# Altium PCB ie-track-kit-arduino-1-V11.PcbDoc (part 3 of 3)
Units mm, origin at the board's own origin, x right, y up, seen from the top; angles counter-clockwise.
Board outline 115 x 212.3 mm, 2 copper layers (Top Layer, Bottom Layer), stack 1.571 mm thick; 284 components, 206 nets, 1109 pads, 538 vias.
Unrouted connection lines stored in the file: 1.
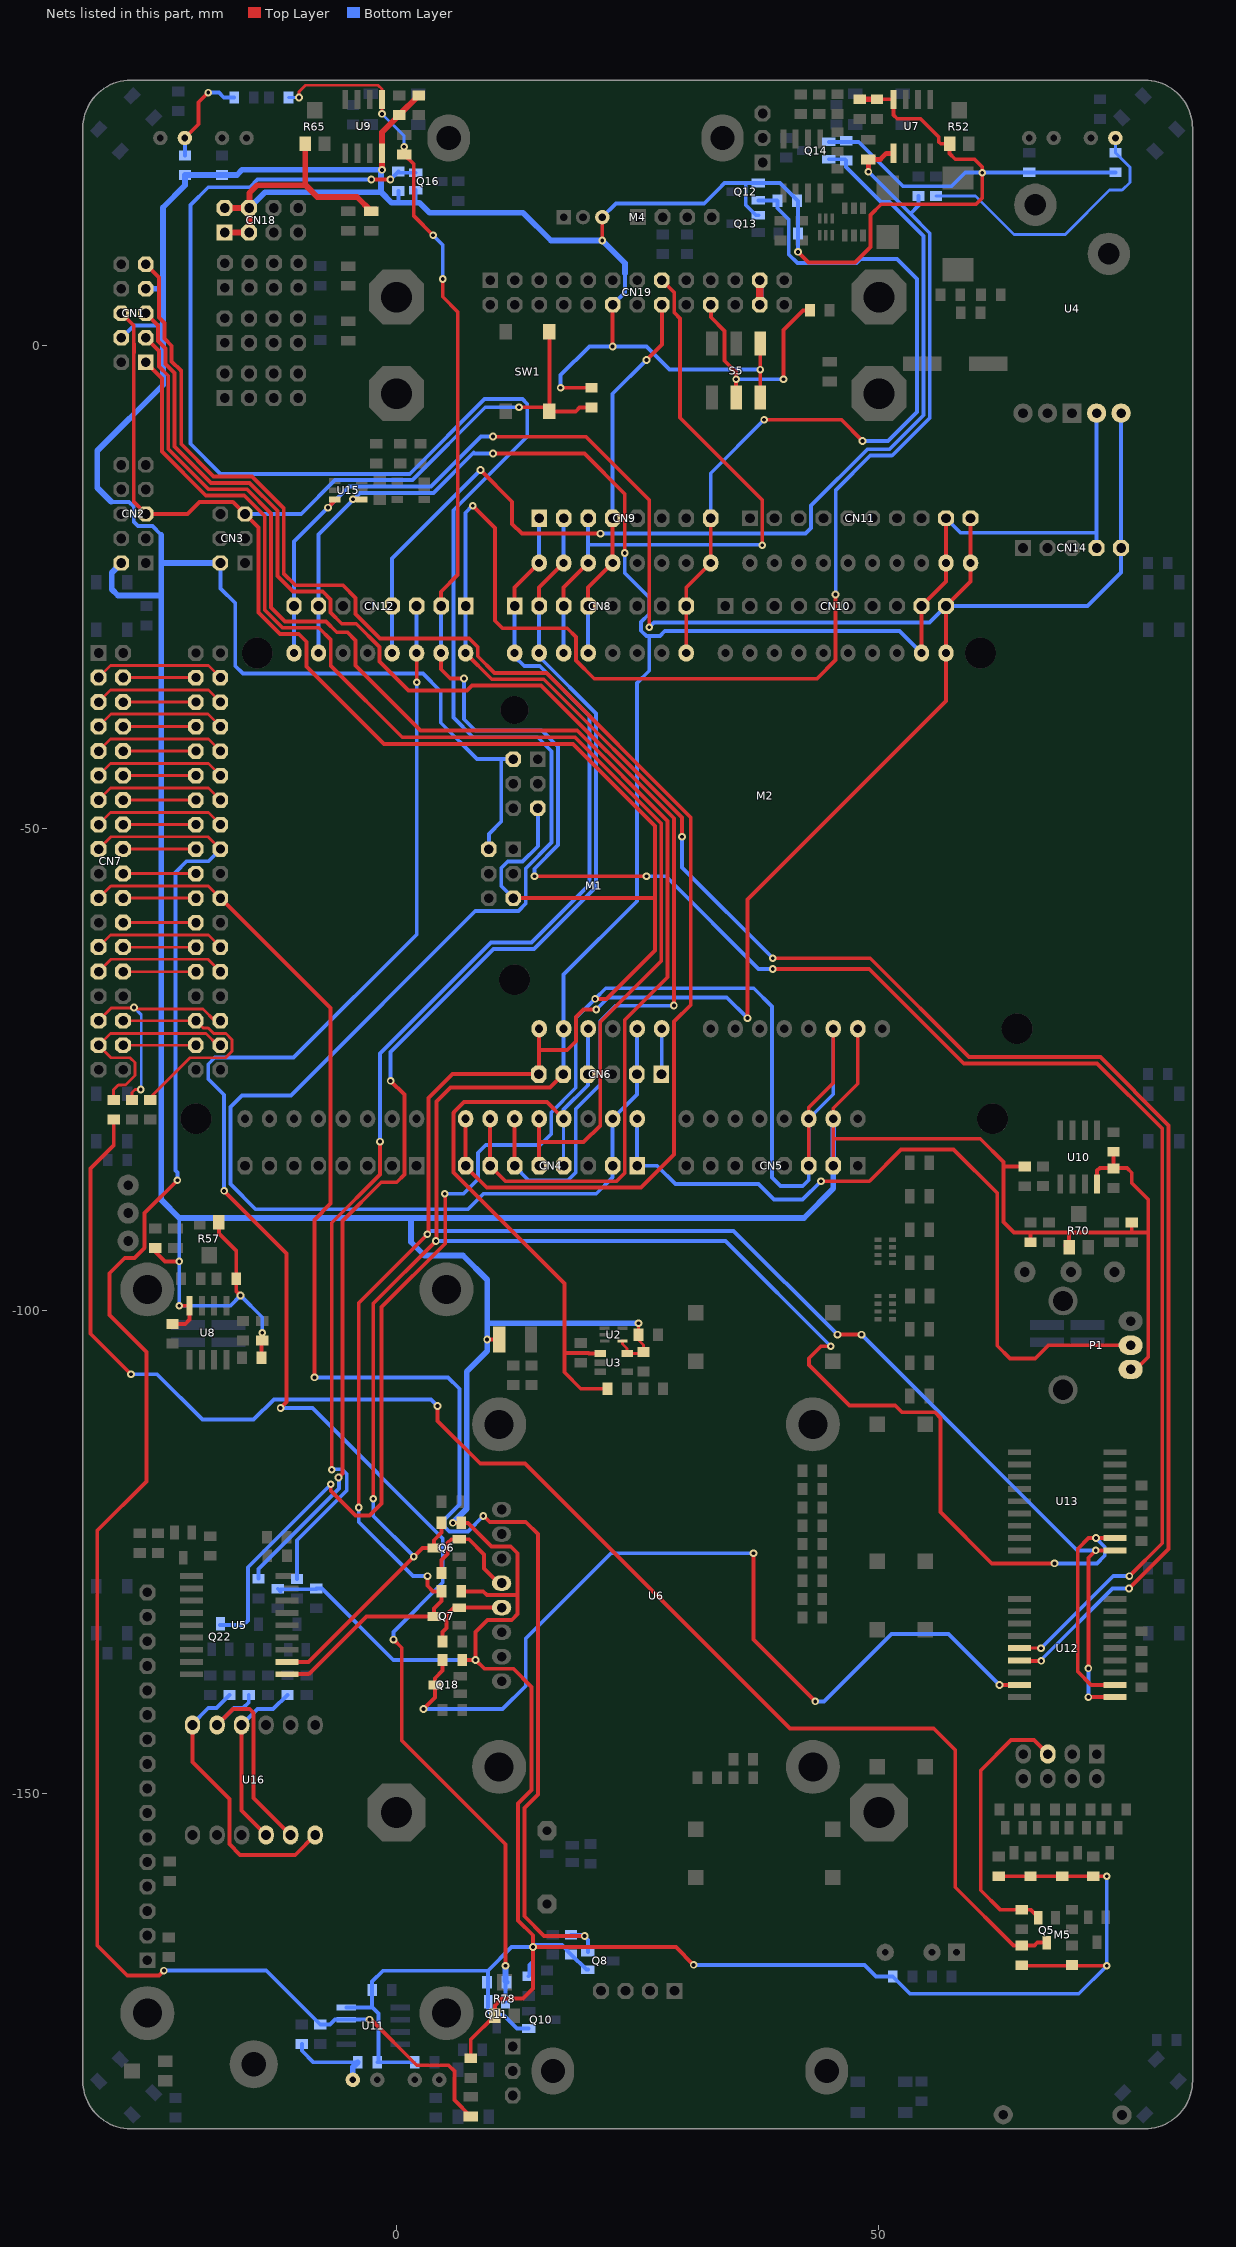
[diagram p3: the nets of this part, all layers, seen from the top]

## Via types
v1: diameter 0.8, hole 0.4, Top Layer to Bottom Layer, tented both sides, 538 vias

## Nets (pads, with @x,y where several pads share a name; then routed paths per layer and width w, separated by ;. In a path a pad name is that pad's centre, name@x,y a point inside that pad or via, vN(x,y) a via of type N, cw(c..) or ccw(c..) an arc to the next point about the centre after c; other vN are vias at no path point) (continued)
nSLEEP_RIGHT: CN19.20 R114.1 S5.1 | length 24.4
  Top Layer w0.4: CN19.20@32.58,4.23 32.58,2.92 34,1.5 34,-1.58 35.2,-2.78 v1(35.2,-3.5) S5.1@35.2,-5.4 ; v1(40.1,-3.5) 40.1,1.602 42.14,3.642 R114.1@42.843,3.642
  Bottom Layer w0.4: v1(35.2,-3.5) 35.278,-3.422 35.356,-3.5 v1(40.1,-3.5)
OLED_RESET: Q18.3 R50.1 U12.17 | length 94
  Top Layer w0.4: v1(2.8,-141.3) 4,-140.1 Q18.3@4,-138.8 4,-138.1 4.784,-137.316 R50.1@4.784,-136.2 ; v1(37,-125.154) 37,-127.4 37,-134.09 v1@43.405,-140.495 ; v1(62.5,-138.8) 62.51,-138.79 U12.17@64.547,-138.79
  Bottom Layer w0.4: v1(2.8,-141.3) 11,-141.3 13.4,-138.9 13.4,-134 22.3,-125.1 22.354,-125.154 v1(37,-125.154) ; v1(43.4,-140.5) 44.3,-140.5 51.3,-133.5 57.2,-133.5 v1(62.5,-138.8)
PA0_AD0_D22: CN7.3 M1.D22 | length 13.7
  Top Layer w0.3: CN7.3@-30.864,-34.41 -29.622,-33.168 -19.477,-33.168 M1.D22@-18.235,-34.41
PA1_AD1_D23: CN7.4 M1.D23 | length 7.5
  Top Layer w0.3: CN7.4@-28.324,-34.41 M1.D23@-20.775,-34.41
PA2_AD2_D24: CN7.5 M1.D24 | length 13.7
  Top Layer w0.3: CN7.5@-30.864,-36.95 -29.614,-35.7 -19.485,-35.7 M1.D24@-18.235,-36.95
PA3_AD3_D25: CN7.6 M1.D25 | length 7.5
  Top Layer w0.3: CN7.6@-28.324,-36.95 M1.D25@-20.775,-36.95
PA4_AD4_D26: CN7.7 M1.D26 | length 13.7
  Top Layer w0.3: CN7.7@-30.864,-39.49 -29.574,-38.2 -19.525,-38.2 M1.D26@-18.235,-39.49
PA5_AD5_D27: CN7.8 M1.D27 | length 7.5
  Top Layer w0.3: CN7.8@-28.324,-39.49 M1.D27@-20.775,-39.49
PA6_AD6_D28: CN7.9 M1.D28 | length 13.7
  Top Layer w0.3: CN7.9@-30.864,-42.03 -29.622,-40.788 -19.477,-40.788 M1.D28@-18.235,-42.03
PA7_AD7_D29: CN7.10 M1.D29 | length 7.5
  Top Layer w0.3: CN7.10@-28.324,-42.03 M1.D29@-20.775,-42.03
PB0_nSS_PCI0_D53: CN7.34 M1.D53 | length 7.5
  Top Layer w0.3: CN7.34@-28.324,-72.51 M1.D53@-20.775,-72.51
PB1_SCK_PCI1_D52: CN7.33 M1.D52 R21.1 | length 23.4
  Top Layer w0.3: R21.1@-29.3,-78.184 -29.3,-77.1 -28.818,-76.618 -28.082,-76.618 -27.094,-75.63 -27.094,-74.306 -27.6,-73.8 -29.574,-73.8 CN7.33@-30.864,-72.51 -29.634,-71.281 -19.736,-71.281 -18.506,-72.51 M1.D52@-18.235,-72.51
PB2_MOSI_PCI2_D51: CN7.32 M1.D51 R20.2 | length 24
  Top Layer w0.3: CN7.32@-28.324,-69.97 M1.D51@-20.775,-69.97 -20.018,-70.727 -19.506,-70.727 -18.927,-71.306 -17.668,-71.306 -17.031,-71.943 -17.031,-73.131 -17.7,-73.8 -21.4,-73.8 -25.5,-77.9 R20.2@-25.5,-78.184
PB3_MISO_PCI3_D50: CN7.31 M1.D50 R22.1 | length 24.5
  Top Layer w0.3: CN7.31@-30.864,-69.97 -29.553,-68.659 -27.259,-68.659 v1(-27.2,-68.6) -27.2,-68.68 -27.13,-68.75 -20.05,-68.75 -18.83,-69.97 M1.D50@-18.235,-69.97 ; R22.1@-27.4,-78.184 -27.4,-77.4 -27.1,-77.1 v1(-26.5,-77.1)
  Bottom Layer w0.3: v1(-27.2,-68.6) -26.446,-69.354 -26.446,-77.046 v1(-26.5,-77.1)
PC0_A8_D37: CN7.18 M1.D37 | length 7.5
  Top Layer w0.3: CN7.18@-28.324,-52.19 M1.D37@-20.775,-52.19
PC0_ADC0_PCI8_A0: CN4.1 CN6.1 M1.A0 M2.A0 P1.2 | length 83.1
  Top Layer w0.4: v1(43.992,-86.6) 49,-86.6 52.3,-83.3 57.725,-83.3 62.254,-87.829 62.254,-103.654 63.584,-104.984 66.2,-104.984 67.584,-103.6 P1.2@76.08,-103.6
  Bottom Layer w0.4: M1.A0@24.945,-80.13 CN4.1@24.945,-85 27,-85 28.9,-86.9 37.535,-86.9 39.135,-88.5 42.092,-88.5 v1(43.992,-86.6) ; CN6.1@27.46,-75.5 27.485,-75.475 M2.A0@27.485,-70.8
PC1_A9_D36: CN7.17 D22.2 M1.D36 R82.2 U11.7 | length 186.7
  Top Layer w0.3: CN7.17@-30.864,-52.19 -29.574,-50.9 -19.525,-50.9 M1.D36@-18.235,-52.19
  Top Layer w0.4: v1(-24.1,-168.4) -24.6,-168.9 -27.9,-168.9 -31,-165.8 -31,-122.8 -25.9,-117.7 -25.9,-104.292 -29.738,-100.454 -29.738,-96.138 -28.152,-94.552 -27.152,-94.552 -26.1,-93.5 -26.1,-89.9 v1(-22.7,-86.5) ; v1(-2.781,-173.481) -2.619,-173.481 2.1,-178.2 5.4,-178.2 6,-178.8 6,-181.8 D22.2@7.7,-183.5
  Bottom Layer w0.4: v1(-24.1,-168.4) -13.484,-168.4 R82.2@-7.9,-173.984 -6.884,-173.984 -6.381,-173.481 U11.7@-5.194,-173.481 v1(-2.781,-173.481) -2.781,-173.441 v1@-2.72,-173.38 ; v1(-22.7,-86.5) -22.8,-86.5 -22.7,-86.4 -22.7,-85.7 -22.9,-85.5 -22.9,-54.6 -21.744,-53.444 -19.489,-53.444 M1.D36@-18.235,-52.19
PC1_ADC1_PCI9_A1: CN4.2 CN6.2 M1.A1 M2.A1 Q16.2 R41.1 | length 259.2
  Top Layer w0.4: v1(-2.6,17.2) v1(-0.632,17.2)
  Bottom Layer w0.4: v1(-2.6,17.2) -14.407,17.2 -15.207,16.4 -19.5,16.4 -21.354,14.546 -21.354,-10.181 -18.235,-13.3 1.375,-13.3 9.129,-5.546 13.054,-5.546 13.554,-6.046 13.554,-9.421 5.9,-17.075 5.9,-38.554 7.946,-40.6 14.64,-40.6 16.084,-42.044 16.084,-51.508 13.4,-54.192 13.4,-57.83 12.63,-58.6 8.162,-58.6 -10.938,-77.7 -16,-77.7 -17.2,-78.9 -17.2,-86.9 -14.6,-89.5 7.425,-89.5 9.025,-87.9 20.7,-87.9 22.405,-86.195 CN4.2@22.405,-85 M1.A1@22.405,-80.13 24.92,-77.615 CN6.2@24.92,-75.5 24.92,-70.825 M2.A1@24.945,-70.8 ; v1(-0.632,17.2) R41.1@0.2,18.032 0.332,17.9 Q16.2@2,17.9
PC2_A10_D35: CN7.16 M1.D35 | length 7.5
  Top Layer w0.3: CN7.16@-28.324,-49.65 M1.D35@-20.775,-49.65
PC3_A11_D34: CN7.15 M1.D34 | length 13.7
  Top Layer w0.3: CN7.15@-30.864,-49.65 -29.614,-48.4 -19.485,-48.4 M1.D34@-18.235,-49.65
PC3_ADC3_PCI11_A3: CN4.4 CN6.4 M1.A3 M2.A3 R40.1 U3.1 | length 68.4
  Top Layer w0.4: M1.A3@17.325,-80.13 15.595,-78.4 7,-78.4 5.961,-79.439 5.961,-79.461 5.911,-79.511 5.911,-85.711 17.4,-97.2 17.4,-104.4 ; U3.1@21.1,-104.45 19.966,-104.45 19.916,-104.4 17.4,-104.4 ; R40.1@21.868,-108.1 19.1,-108.1 17.4,-106.4 17.4,-104.4
  Bottom Layer w0.3: CN4.4@17.325,-85 M1.A3@17.325,-80.13
  Bottom Layer w0.4: M1.A3@17.325,-80.13 17.325,-79.165 19.84,-76.65 CN6.4@19.84,-75.5 19.865,-75.475 M2.A3@19.865,-70.8
PC4_A12_D33: CN7.14 M1.D33 | length 7.5
  Top Layer w0.3: CN7.14@-28.324,-47.11 M1.D33@-20.775,-47.11
PC4_ADC4_SDA_PCI12_A4: CN6.5 CN10.9 CN11.9 CN12.7 CN14.4 M1.D20 M1.SDA M2.A4 M2.SDA Q6.3 R16.1 U4.5 U5.2 U12.2 U13.2 U15.4 | length 397.7
  Top Layer w0.4: U5.2@-11.347,-136.41 -9.11,-136.41 v1(1.8,-125.5) 2.7,-124.6 Q6.3@3.9,-124.6 3.9,-123.8 4.684,-123.016 R16.1@4.684,-122 ; v1(-4.492,-15.933) -3.717,-15.933 -3.65,-16 U15.4@-3.6,-15.95 ; v1(-2.4,-119.5) -2.4,-99.268 v1(4.084,-92.784) ; v1(10,-11.2) 19.48,-11.2 23.659,-15.379 v1(23.659,-21.5) ; CN6.5@17.3,-75.5 15.9,-76.9 5.6,-76.9 4.146,-78.354 v1@4.146,-92.722 ; v1(45,-103.7) 43.992,-103.7 42.746,-104.946 42.746,-105.654 46.938,-109.846 51.687,-109.846 52.377,-110.536 55.788,-110.536 56.368,-111.116 56.368,-120.884 61.684,-126.2 v1(68.2,-126.2) ; M1.SDA@54.409,-31.87 CN10.9@54.409,-27 56.949,-24.46 M2.SDA@56.949,-22.54 CN11.9@56.949,-17.9 ; U12.2@74.453,-138.79 71.99,-138.79 70.6,-137.4 70.6,-124.7 71.72,-123.58 v1(72.48,-123.58) U13.2@74.453,-123.58 ; v1(4.084,-92.784) v1@4.146,-92.722 ; v1(4.084,-92.784) 4.084,-92.8 4.146,-92.862 v1@4.146,-92.722
  Bottom Layer w0.4: M1.D20@-8.075,-31.87 -8.075,-27.075 CN12.7@-8,-27 ; CN12.7@-8.075,-27 -8.075,-19.579 -3.767,-15.271 3.835,-15.271 8.006,-11.1 8.106,-11.2 v1(10,-11.2) ; v1(-2.4,-119.5) -2.4,-121.3 v1(1.8,-125.5) ; v1(4.084,-92.784) 34.084,-92.784 v1(45,-103.7) ; CN6.5@17.3,-75.5 17.325,-75.475 M2.A4@17.325,-70.8 17.325,-65.184 24.92,-57.589 24.92,-34.98 26.2,-33.7 26.2,-30.1 ; v1(23.659,-21.5) 23.659,-23.559 26.199,-26.099 26.199,-27.801 25.346,-28.654 25.346,-29.554 25.892,-30.1 26.2,-30.1 ; M1.SDA@54.409,-31.87 52.139,-29.6 27.8,-29.6 27.3,-30.1 26.2,-30.1 ; CN11.9@56.949,-17.9 58.449,-19.4 72.45,-19.4 72.55,-19.3 ; v1(68.2,-126.2) 72.6,-126.2 73.4,-125.4 73.4,-124.5 v1(72.48,-123.58) ; CN14.4@72.55,-20.98 72.55,-19.3 ; U4.5@72.55,-7.01 72.55,-19.3
PC5_A13_D32: CN7.13 M1.D32 | length 13.7
  Top Layer w0.3: CN7.13@-30.864,-47.11 -29.622,-45.868 -19.477,-45.868 M1.D32@-18.235,-47.11
PC5_ADC5_SCL_PCI13_A5: CN6.6 CN10.10 CN11.10 CN12.8 CN14.5 M1.D21 M1.SCL M2.A5 M2.SCL Q7.3 R18.1 U4.6 U5.1 U12.1 U13.1 U15.3 | length 425.6
  Top Layer w0.4: U5.1@-11.347,-137.68 -9.08,-137.68 -3.1,-131.7 Q7.3@3.9,-131.7 3.9,-130.884 4.684,-130.1 R18.1@4.684,-129.1 3.8,-129.1 3.22,-128.52 v1(3.22,-127.52) ; v1(-7.1,-16.8) -6.4,-16.1 U15.3@-6.4,-15.95 ; v1(-3.9,-120.4) -3.9,-99.2 v1(3.2,-92.1) 3.339,-91.961 3.339,-77.961 5.8,-75.5 CN6.6@14.76,-75.5 ; v1(10,-9.421) 10.033,-9.454 19.653,-9.454 26.199,-16 v1(26.2,-29.2) ; CN6.6@14.785,-75.5 CN6.6@14.76,-75.5 ; M2.A5@14.785,-70.8 14.785,-73 ; v1(20.7,-68.8) 19.4,-68.8 18.6,-69.6 18.6,-72.1 17.7,-73 14.785,-73 ; v1(36.375,-69.7) 36.375,-57.443 36.4,-57.418 36.391,-57.409 56.949,-36.851 M1.SCL@56.949,-31.87 CN10.10@56.949,-27 59.489,-24.46 M2.SCL@59.489,-22.54 CN11.10@59.489,-17.9 ; v1(45.7,-102.5) v1(48.2,-102.5) ; v1(71.7,-140.06) U12.1@74.453,-140.06 ; v1(71.7,-137.08) 71.7,-125.61 v1(72.46,-124.85) 74.353,-124.85 74.403,-124.8 U13.1@74.453,-124.85 ; CN6.6@14.76,-75.5 14.785,-75.475 14.785,-73
  Bottom Layer w0.4: M1.D21@-10.615,-31.87 CN12.8@-10.615,-27 -10.615,-20.315 v1(-7.1,-16.8) -4.917,-14.617 3.564,-14.617 8.76,-9.421 v1(10,-9.421) ; v1(-3.9,-120.4) -3.9,-121.9 1.72,-127.52 v1(3.22,-127.52) ; v1(3.2,-92.1) 3.554,-91.746 34.946,-91.746 v1(45.7,-102.5) ; v1(20.7,-68.8) 21.954,-67.546 34.221,-67.546 v1(36.375,-69.7) ; v1(26.2,-29.2) 26.7,-28.7 55.249,-28.7 CN10.10@56.949,-27 71.61,-27 75.09,-23.52 CN14.5@75.09,-20.98 U4.6@75.09,-7.01 ; v1(48.2,-102.5) 70.55,-124.85 v1(72.46,-124.85) ; v1(71.7,-140.06) v1(71.7,-137.08)
PC6_A12_D31: CN7.12 M1.D31 | length 7.5
  Top Layer w0.3: CN7.12@-28.324,-44.57 M1.D31@-20.775,-44.57
PC7_A13_D30: CN7.11 M1.D30 | length 13.7
  Top Layer w0.3: CN7.11@-30.864,-44.57 -29.622,-43.328 -19.477,-43.328 M1.D30@-18.235,-44.57
PD0_RXD_PCI6_D0: CN8.1 CN9.1 M1.D0 M2.D0 R12.2 | length 132.1
  Top Layer w0.4: v1(-6.7,-116.5) -6.7,-90.9 -1.709,-85.909 v1(-1.709,-82.5) ; CN8.1@12.245,-27 12.245,-25.08 M2.D0@14.785,-22.54
  Bottom Layer w0.4: R12.2@-10.3,-127.809 -10.3,-123.8 -5.146,-118.646 -5.146,-116.939 -5.639,-116.446 -6.646,-116.446 v1(-6.7,-116.5) ; v1(-1.709,-82.5) -1.709,-73.376 9.797,-61.87 13.985,-61.87 20.008,-55.847 20.008,-38.388 14.844,-33.224 13.249,-33.224 12.245,-32.22 M1.D0@12.245,-31.87 CN8.1@12.245,-27 ; M2.D0@14.785,-22.54 CN9.1@14.785,-17.9
PD1_TXD_PCI17_D1: CN8.2 CN9.2 M1.D1 M2.D1 R6.2 | length 132.7
  Top Layer w0.4: v1(-6,-117.3) -5.6,-116.9 -5.6,-90.725 -1.58,-86.704 0.027,-86.704 0.831,-85.9 0.831,-82.45 0.831,-77.631 v1(-0.6,-76.2) ; CN8.2@14.785,-27 14.785,-25.08 M2.D1@17.325,-22.54
  Bottom Layer w0.4: R6.2@-14.3,-127.793 -14.3,-126.8 -5.946,-118.446 -5.946,-117.354 v1(-6,-117.3) ; v1(-0.6,-76.2) -0.6,-73.192 10.068,-62.524 14.255,-62.524 20.662,-56.117 20.662,-38.117 15.115,-32.57 14.785,-32.57 M1.D1@14.785,-31.87 CN8.2@14.785,-27 ; M2.D1@17.325,-22.54 CN9.2@17.325,-17.9
PD2_INT0_PCI18_D2: CN8.3 CN9.3 CN19.15 M1.D2 M2.D2 | length 65
  Top Layer w0.4: CN8.3@17.325,-27 17.325,-25.08 M2.D2@19.865,-22.54 ; CN19.15@27.5,6.77 28.786,5.484 28.786,3.414 29.386,2.814 29.386,-7.271 29.393,-7.278 29.393,-7.493 37.908,-16.008 v1@37.908,-20.692 ; v1(37.9,-20.7) v1@37.908,-20.692 ; v1@38,-20.6 v1@37.908,-20.692
  Bottom Layer w0.4: M1.D2@17.325,-31.87 CN8.3@17.325,-27 ; M2.D2@19.865,-22.54 19.865,-20.7 ; CN9.3@19.865,-17.9 19.865,-20.7 ; v1(37.9,-20.7) 37.846,-20.646 19.919,-20.646 19.865,-20.7
PD3_INT1_OC2B_PCI19_D3: CN8.4 CN9.4 CN19.16 M1.D3 M2.D3 | length 39.3
  Top Layer w0.4: CN8.4@19.865,-27 19.865,-25.08 M2.D3@22.405,-22.54 CN9.4@22.405,-17.9 ; v1(25.9,-1.5) 27.5,0.1 CN19.16@27.5,4.23
  Bottom Layer w0.4: M1.D3@19.865,-31.87 CN8.4@19.865,-27 ; CN9.4@22.405,-17.9 22.405,-4.995 v1(25.9,-1.5)
PD7_AIN1_PCI23_D7: CN8.8 CN9.8 M1.D7 M2.D7 Q12.2 R31.1 | length 82.1
  Top Layer w0.4: M1.D7@30.025,-31.87 CN8.8@30.025,-27 30.025,-25.08 M2.D7@32.565,-22.54 CN9.8@32.565,-17.9 ; v1(38.1,-7.7) 46.102,-7.7 v1(48.302,-9.9)
  Bottom Layer w0.4: CN9.8@32.565,-17.9 32.565,-13.235 v1(38.1,-7.7) ; Q12.2@37.5,15.037 39.447,15.037 R31.1@39.484,15 39.484,14.216 40.654,13.046 40.654,9.438 41.55,8.542 47.701,8.542 48.116,8.958 51.884,8.958 53.958,6.884 53.958,-6.884 50.942,-9.9 v1(48.302,-9.9)
PF4_ADC4_TCK_A4: CN1.1 CN4.5 M1.A4 | length 130.7
  Top Layer w0.4: CN1.1@-25.96,-1.75 -24.3,-3.41 -24.3,-11 -19.754,-15.546 -15.767,-15.546 -13.646,-17.667 -13.646,-27.404 -11.804,-29.246 -8.054,-29.246 -6.8,-30.5 -6.8,-33.2 0.6,-40.6 18.508,-40.6 27.438,-49.53 27.438,-63.762 21.126,-70.074 21.126,-80.813 19.39,-82.549 14.785,-82.549 ; CN4.5@14.785,-85 14.785,-82.549 ; M1.A4@14.785,-80.13 14.785,-82.549
PF5_ADC5_TMS_A5: CN1.5 CN4.6 M1.A5 | length 145.5
  Top Layer w0.4: CN1.5@-25.96,3.33 -24.7,2.07 -24.7,0.455 -23.946,-0.299 -23.946,-1.914 -22.992,-2.868 -22.992,-10.458 -19.212,-14.238 -15.225,-14.238 -12.338,-17.125 -12.338,-23.9 -10.738,-25.5 -7.633,-25.5 -6.821,-26.312 -6.821,-27.679 -5.672,-28.828 -4.164,-28.828 -1.741,-31.251 -1.741,-32.759 1.254,-35.754 7.3,-35.754 7.821,-35.233 14.99,-35.233 28.746,-48.989 v1(28.746,-68.4) ; CN4.6@12.245,-85 M1.A5@12.245,-80.13
  Bottom Layer w0.4: CN4.6@12.245,-85 12.22,-85.025 13.695,-86.5 17.767,-86.5 18.586,-85.681 18.586,-79.114 21.119,-76.581 21.119,-69.981 22.683,-68.417 28.729,-68.417 v1(28.746,-68.4)
PF6_ADC6_TDO_A6: CN1.3 CN4.7 M1.A6 | length 145.6
  Top Layer w0.4: CN1.3@-25.96,0.79 -24.6,-0.57 -24.6,-2.185 -23.646,-3.139 -23.646,-10.729 -19.483,-14.892 -15.496,-14.892 -12.992,-17.396 -12.992,-27.133 -11.533,-28.592 -7.308,-28.592 -6.184,-29.716 -5.084,-29.716 -4.249,-30.551 -4.249,-33.151 2.5,-39.9 18.732,-39.9 28.092,-49.26 28.092,-65.467 23.659,-69.9 23.659,-85.741 22.8,-86.6 11.305,-86.6 CN4.7@9.705,-85 M1.A6@9.705,-80.13
PF7_ADC7_TDI_A7: CN1.9 CN4.8 M1.A7 | length 159
  Top Layer w0.4: CN1.9@-25.96,8.41 -24.6,7.05 -24.6,2.9 -24.046,2.346 -24.046,0.726 -23.292,-0.028 -23.292,-1.643 -22.338,-2.597 -22.338,-2.662 -22.3,-2.7 -22.3,-10.225 -18.941,-13.584 -14.954,-13.584 -11.684,-16.854 -11.684,-23.629 -10.467,-24.846 -5.554,-24.846 -4.249,-26.151 -4.249,-27.818 -1.697,-30.37 7.538,-30.37 8.419,-31.251 8.419,-32.199 10.145,-33.925 15.532,-33.925 30.5,-48.893 30.5,-68.322 28.771,-70.051 28.771,-83.829 25.346,-87.254 9.354,-87.254 7.212,-85.112 7.212,-85.047 CN4.8@7.165,-85 M1.A7@7.165,-80.13
PG0_nWR_D41: CN7.22 M1.D41 | length 7.5
  Top Layer w0.3: CN7.22@-28.324,-57.27 M1.D41@-20.775,-57.27
PG1_nRD_D40: CN7.21 M1.D40 Q8.2 R23.1 | length 161.2
  Top Layer w0.3: CN7.21@-30.864,-57.27 -29.594,-56 -19.505,-56 M1.D40@-18.235,-57.27
  Top Layer w0.4: M1.D40@-18.235,-57.27 -6.8,-68.705 -6.821,-68.726 -6.821,-88.921 -8.5,-90.6 v1(-8.5,-106.92) ; v1(9,-121.3) 9,-121.242 9.664,-121.906 13.4,-121.906 14.654,-123.16 14.654,-150.154 13.262,-151.546 13.262,-162.762 15.3,-164.8 v1(19.5,-164.8)
  Bottom Layer w0.4: v1(-8.5,-106.92) 5.362,-106.92 6.542,-108.1 6.542,-120.096 4.992,-121.646 4.992,-122.354 5,-122.362 5,-122.422 5.478,-122.9 7.4,-122.9 v1(9,-121.3) ; R23.1@18.1,-164.684 19.384,-164.684 v1(19.5,-164.8) 19.5,-164.9 19.834,-165.234 Q8.2@19.834,-166.5
PG2_ALE_D39: CN7.20 M1.D39 | length 7.5
  Top Layer w0.3: CN7.20@-28.324,-54.73 M1.D39@-20.775,-54.73
PH0_RXD2_D17: CN12.4 M1.D17 Q14.2 R33.1 | length 111.2
  Top Layer w0.4: v1(8.7,-12.9) 11.99,-16.19 11.99,-18.49 13,-19.5 v1(21.151,-19.5)
  Bottom Layer w0.4: M1.D17@-0.455,-31.87 CN12.4@-0.455,-27.075 ; CN12.4@-0.455,-27 -0.455,-22.055 v1(8.7,-12.9) ; v1(21.151,-19.5) 42.37,-19.5 42.97,-18.9 42.97,-16.585 48.8,-10.754 51.084,-10.754 54.612,-7.226 54.612,11.363 51.096,14.879 50.221,14.879 46.6,18.5 R33.1@46.6,19.184 46.484,19.3 Q14.2@44.82,19.3
PH1_TXD2_D16: CN12.3 M1.D16 Q11.2 R25.1 | length 177.8
  Top Layer w0.4: v1(-17.854,-87.6) -11.384,-94.07 -11.384,-109.479 v1(-12.002,-110.098) ; v1(-0.3,-134.1) 0.546,-134.946 0.546,-144.546 11.3,-155.3 v1(11.3,-167.9) ; M1.D16@2.085,-31.87 2.1,-31.885 v1(2.1,-34.9)
  Bottom Layer w0.4: v1(-17.854,-87.6) -17.854,-77.637 -19.5,-75.991 -19.5,-74.473 -18.823,-73.796 -10.651,-73.796 2.1,-61.045 v1(2.1,-34.9) ; v1(-12.002,-110.098) -8.715,-110.098 4.8,-123.613 4.8,-128.2 -0.3,-133.3 v1(-0.3,-134.1) ; M1.D16@2.085,-31.87 CN12.3@2.085,-27.075 ; Q11.2@11.3,-171.6 11.3,-169.716 R25.1@11.416,-169.6
  Bottom Layer w0.6: v1(11.3,-167.9) 11.3,-169.484 R25.1@11.416,-169.6
PJ0_RXD3_PCI9_D15: CN12.2 D19.2 M1.D15 R73.2 U9.1 U12.14 | length 245.1
  Top Layer w0.3: v1(-10.1,25.7) -10.1,26.3 -9.431,26.969 -1.9,26.969 -1.495,26.564 U9.1@-1.495,25.494 ; v1(-1.495,24) U9.1@-1.495,25.104 ; D19.2@0.8,19.7 D19.2@0.8,19.784 v1(0.8,20.6) ; U12.14@64.547,-134.98 66.78,-134.98 v1(66.8,-135)
  Top Layer w0.4: D19.2@0.8,19.784 1.8,18.784 1.8,13.425 v1(3.8,11.425) ; M1.D15@4.625,-31.87 4.625,-33.543 5.582,-34.5 v1(7,-34.5) ; CN12.2@4.625,-27 4.6,-26.975 4.6,-25.515 6.346,-23.769 6.346,3.5 4.8,5.046 v1(4.8,6.9) ; v1(14.3,-55) v1(25.9,-55) ; v1(39,-64.6) 48.994,-64.6 58.79,-74.396 72.596,-74.396 79.354,-81.154 79.354,-124.108 v1(75.942,-127.52)
  Bottom Layer w0.3: R73.2@-11.178,25.7 v1(-10.1,25.7) ; v1@-1.495,23.895 v1(-1.495,24) 0.8,21.705 v1(0.8,20.6)
  Bottom Layer w0.4: v1(3.8,11.425) 4.8,10.425 v1(4.8,6.9) ; M1.D15@4.625,-31.87 CN12.2@4.625,-27 ; v1(7,-34.5) 7,-38.729 8.171,-39.9 15.064,-39.9 16.738,-41.574 16.738,-51.779 14.3,-54.217 v1(14.3,-55) ; v1(25.9,-55) 27.935,-55 37.535,-64.6 v1(39,-64.6) ; v1(66.8,-135) 69.2,-132.6 73.86,-127.94 74.28,-127.52 v1(75.942,-127.52)
PJ1_TXD3_PCI10_D14: CN12.1 D16.2 M1.D14 R60.2 U7.1 U12.15 | length 293.7
  Top Layer w0.4: M1.D14@7.165,-31.87 9.874,-34.579 15.261,-34.579 29.6,-48.918 v1(29.6,-50.9) ; v1(7.9,-16.6) 10.2,-18.9 10.2,-28.525 10.975,-29.3 17.7,-29.3 18.6,-30.2 18.6,-32.632 20.5,-34.532 43.571,-34.532 45.503,-32.6 v1(45.503,-25.8) ; v1(39,-63.5) 49.1,-63.5 59.342,-73.742 72.942,-73.742 80.008,-80.808 80.008,-124.692 v1(75.9,-128.8) ; U12.15@64.547,-136.25 64.597,-136.3 v1(66.82,-136.3)
  Top Layer w0.5: v1(48.9,18) D16.2@48.9,19.284 50.149,19.284 50.771,19.906 U7.1@51.495,19.906
  Bottom Layer w0.4: M1.D14@7.165,-31.87 CN12.1@7.165,-27.075 ; CN12.1@7.165,-27 7.165,-17.335 v1(7.9,-16.6) ; v1(29.6,-50.9) 29.6,-54.1 v1(39,-63.5) ; v1(45.503,-25.8) 45.519,-25.784 45.519,-18.51 45.528,-18.501 45.528,-14.98 49.1,-11.408 51.308,-11.408 51.331,-11.431 55.266,-7.497 55.266,11.634 53.25,13.65 ; v1(48.9,18) 53.25,13.65 ; R60.2@54.1,15.484 54.1,14.5 53.25,13.65 ; v1(66.82,-136.3) 66.82,-136.188 74.208,-128.8 v1(75.9,-128.8)
PL2_T5_D47: CN7.28 M1.D47 | length 7.5
  Top Layer w0.3: CN7.28@-28.324,-64.89 M1.D47@-20.775,-64.89
PL3_OC5A_D46: CN7.27 M1.D46 | length 13.7
  Top Layer w0.3: CN7.27@-30.864,-64.89 -29.574,-63.6 -19.525,-63.6 M1.D46@-18.235,-64.89
PL4_OC5B_D45: CN7.26 M1.D45 | length 7.5
  Top Layer w0.3: CN7.26@-28.324,-62.35 M1.D45@-20.775,-62.35
PL5_OC5C_D44: CN7.25 M1.D44 | length 13.7
  Top Layer w0.3: CN7.25@-30.864,-62.35 -29.614,-61.1 -19.485,-61.1 M1.D44@-18.235,-62.35
PL6_D43: CN7.24 M1.D43 | length 7.5
  Top Layer w0.3: CN7.24@-28.324,-59.81 M1.D43@-20.775,-59.81
PROX_FL_A: Q20.2 R67.2 R68.1 | length 10.4
  Top Layer w0.4: Q20.2@-21.93,21.5 -20.5,22.93 -20.5,25.2 v1(-19.5,26.2)
  Bottom Layer w0.3: Q20.2@-21.93,21.5 Q20.2@-21.9,21.47
  Bottom Layer w0.4: R67.2@-21.9,19.7 Q20.2@-21.9,21.47 ; v1(-19.5,26.2) -18.4,26.2 -17.9,25.7 R68.1@-16.816,25.7
PROX_FR_A: Q19.2 R54.2 R55.1 | length 29.2
  Bottom Layer w0.3: R55.1@55.9,15.484 60.016,15.484 64,11.5 69.3,11.5 73.9,16.1 75.2,16.1 76,16.9 76,18.476 R54.2@74.5,19.976 Q19.2@74.5,21.5
PROX_REAR_A: Q21.2 R80.2 R81.1 | length 9
  Bottom Layer w0.4: R81.1@-9.8,-176.016 -9.8,-176.7 -8.6,-177.9 R80.2@-4.011,-177.9
  Bottom Layer w0.6: Q21.2@-4.519,-179.715 -4.519,-178.408 R80.2@-4.011,-177.9
RESET: CN1.6 CN2.5 CN3.5 CN5.3 M1.P3 M1.PROG5 M2.P3 M2.PROG5 Q22.3 R19.1 SW1.2 | length 360.8
  Top Layer w0.4: CN1.6@-28.5,3.33 -27.214,2.044 -27.214,0.188 -27.2,0.174 -27.2,-0.748 -27.214,-0.762 -27.214,-16.206 CN2.5@-25.96,-17.46 -21.66,-17.46 -20.4,-16.2 -16.955,-16.2 CN3.5@-15.695,-17.46 -14.3,-18.855 -14.3,-27.675 -12.075,-29.9 -10.129,-29.9 -9.329,-30.7 -9.329,-33.271 -1.3,-41.3 18.283,-41.3 26.784,-49.801 26.784,-57.27 ; v1(-6.8,-118) -6.8,-118.708 -4.254,-121.254 -2.808,-121.254 -1.546,-119.992 -1.546,-99.646 5.054,-93.046 5.054,-87.954 v1(5,-87.9) ; M1.PROG5@12.118,-57.27 26.784,-57.27 ; v1(12.7,-6.4) SW1.2@15.854,-6.4 ; SW1.2@15.85,1.425 15.854,1.421 SW1.2@15.854,-6.4 ; R19.1@20.2,-6.284 R19.1@20.2,-6.416 18.984,-6.416 18.575,-6.825 SW1.2@15.85,-6.825 15.854,-6.821 SW1.2@15.854,-6.4 ; v1(20.592,-67.7) 21.763,-67.7 26.784,-62.679 26.784,-57.27 ; CN5.3@42.725,-85 M1.P3@42.725,-80.13 42.725,-78.95 45.265,-76.41 M2.P3@45.265,-70.8